# KiCad board hologram v3.kicad_pcb
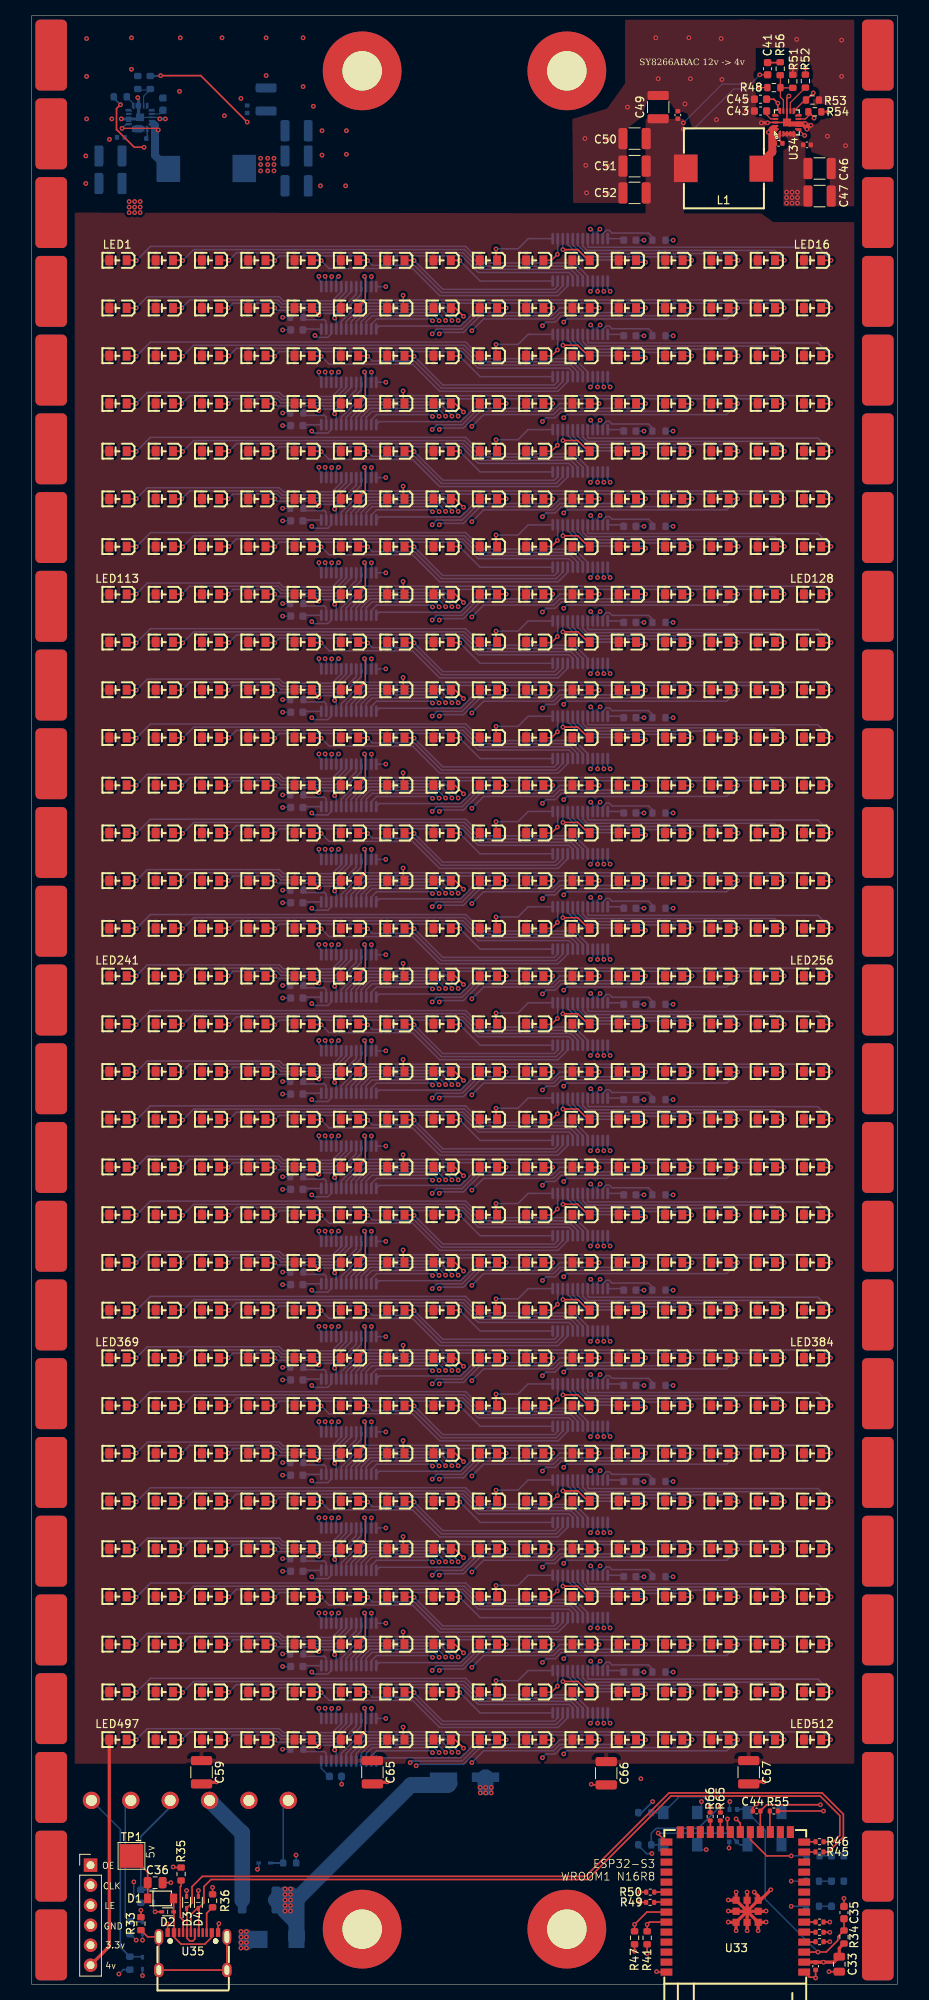
[diagram p0: board, top side]
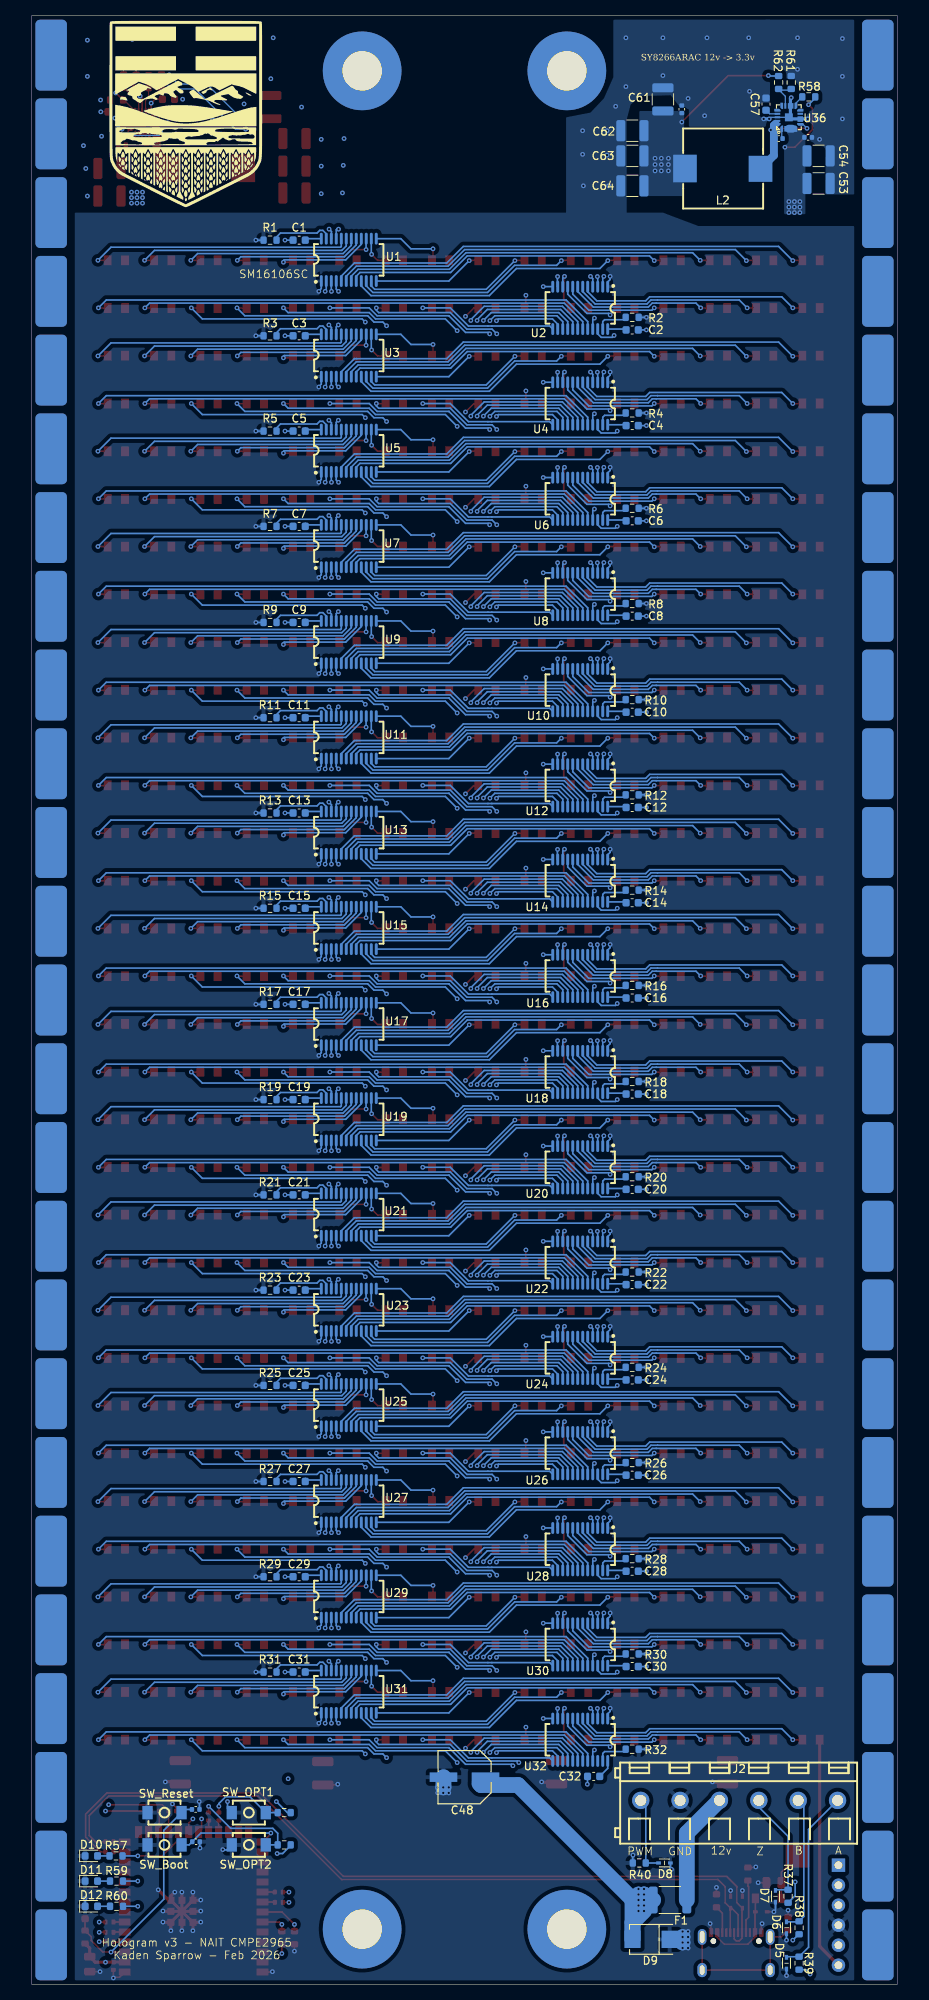
[diagram p1: board, bottom side, seen from below]

Outline 110 x 250 mm; copper layers: Top, In1.Cu, In2.Cu, In3.Cu, In4.Cu, Bottom. Coordinates in mm from the lower left corner of the outline.
Outline path: rectangle 0,250 110,0
Stack: Top 0.035mm / dielectric 0.1mm FR4 er 4.5 / In1.Cu 0.035mm / dielectric 0.535mm FR4 er 4.5 / In2.Cu 0.035mm / dielectric 0.1mm FR4 er 4.5 / In3.Cu 0.035mm / dielectric 0.535mm FR4 er 4.5 / In4.Cu 0.035mm / dielectric 0.1mm FR4 er 4.5 / Bottom 0.035mm

## Placement (name value [footprint] x y rotation side)
C1  C_Small  [C_0603_1608Metric]  76 221.5 180 bottom
C2  C_Small  [C_0603_1608Metric]  33.7 210.1 0 bottom
C3  C_Small  [C_0603_1608Metric]  76 209.35 180 bottom
C4  C_Small  [C_0603_1608Metric]  33.7 197.95 0 bottom
C5  C_Small  [C_0603_1608Metric]  76 197.25 180 bottom
C6  C_Small  [C_0603_1608Metric]  33.7 185.85 0 bottom
C7  C_Small  [C_0603_1608Metric]  76 185.15 180 bottom
C8  C_Small  [C_0603_1608Metric]  33.7 173.75 0 bottom
C9  C_Small  [C_0603_1608Metric]  76 172.95 180 bottom
C10  C_Small  [C_0603_1608Metric]  33.7 161.55 0 bottom
C11  C_Small  [C_0603_1608Metric]  76 160.85 180 bottom
C12  C_Small  [C_0603_1608Metric]  33.7 149.45 0 bottom
C13  C_Small  [C_0603_1608Metric]  76 148.75 180 bottom
C14  C_Small  [C_0603_1608Metric]  33.7 137.35 0 bottom
C15  C_Small  [C_0603_1608Metric]  76 136.65 180 bottom
C16  C_Small  [C_0603_1608Metric]  33.7 125.25 0 bottom
C17  C_Small  [C_0603_1608Metric]  76 124.45 180 bottom
C18  C_Small  [C_0603_1608Metric]  33.7 113.05 0 bottom
C19  C_Small  [C_0603_1608Metric]  76 112.35 180 bottom
C20  C_Small  [C_0603_1608Metric]  33.7 100.95 0 bottom
C21  C_Small  [C_0603_1608Metric]  76 100.25 180 bottom
C22  C_Small  [C_0603_1608Metric]  33.7 88.85 0 bottom
C23  C_Small  [C_0603_1608Metric]  76 88.15 180 bottom
C24  C_Small  [C_0603_1608Metric]  33.7 76.75 0 bottom
C25  C_Small  [C_0603_1608Metric]  76 76.05 180 bottom
C26  C_Small  [C_0603_1608Metric]  33.7 64.65 0 bottom
C27  C_Small  [C_0603_1608Metric]  76 63.85 180 bottom
C28  C_Small  [C_0603_1608Metric]  33.7 52.45 0 bottom
C29  C_Small  [C_0603_1608Metric]  76 51.75 180 bottom
C30  C_Small  [C_0603_1608Metric]  33.7 40.35 0 bottom
C31  C_Small  [C_0603_1608Metric]  76 39.65 180 bottom
C32  C_Small  [C_0603_1608Metric]  38.6 26.4 180 bottom
C33  22u  [C_0805_2012Metric]  102.6 2.55 270 top
C34  0.1u  [C_0402_1005Metric]  99.6 2.3 270 top
C35  1u  [C_0603_1608Metric]  103.2 9.1 90 top
C36  10u  [C_0805_2012Metric]  15.7 12.9 0 top
C37  0.1u  [C_0402_1005Metric]  98.5 233.6 0 top
C38  0.1u  [C_0402_1005Metric]  89.14 22.2 180 bottom
C39  0.1u  [C_0402_1005Metric]  89.1 18.1 180 bottom
C40  0.1u  [C_0402_1005Metric]  94.9 233.8 180 top
C41  dnp  [C_0603_1608Metric]  93.5 243.28 90 top  (not fitted)
C42  0.1u  [C_0402_1005Metric]  82.1 237.4 90 top
C43  2.2u  [C_0603_1608Metric]  92.6 237.9 180 top
C44  0.1u  [C_0402_1005Metric]  92.1 22 180 top
C45  1u  [C_0603_1608Metric]  92.6 239.4 180 top
C46  22u  [C_1210_3225Metric]  100.1 230.6 0 top
C47  22u  [C_1210_3225Metric]  100.1 227.1 0 top
C48  100u  [CAP-SMD_BD6.3-L6.6-W6.6-LS7.3-FD]  55 26.3 0 bottom
C49  47u  [C_1210_3225Metric]  79.6 238.4 90 top
C50  47u  [C_1210_3225Metric]  76.6 234.4 180 top
C51  47u  [C_1210_3225Metric]  76.6 230.9 180 top
C52  47u  [C_1210_3225Metric]  76.6 227.5 180 top
C53  22u  [C_1210_3225Metric]  10.03 228.7 180 bottom
C54  22u  [C_1210_3225Metric]  10.03 232.2 180 bottom
C55  0.1u  [C_0402_1005Metric]  11.35 234.55 180 bottom
C56  0.1u  [C_0402_1005Metric]  15.08 234.4 0 bottom
C57  2.2u  [C_0603_1608Metric]  16.7 238.78 90 bottom
C59  47u  [C_1210_3225Metric]  21.6 26.93 270 top
C60  0.1u  [C_0402_1005Metric]  27.4 238.12 90 bottom
C61  22u  [C_1210_3225Metric]  29.8 239.38 90 bottom
C62  22u  [C_1210_3225Metric]  33.67 235.4 0 bottom
C63  22u  [C_1210_3225Metric]  33.67 232.2 0 bottom
C64  22u  [C_1210_3225Metric]  33.67 228.4 0 bottom
C65  47u  [C_1210_3225Metric]  43.3 26.93 270 top
C66  47u  [C_1210_3225Metric]  73 26.8 270 top
C67  47u  [C_1210_3225Metric]  91.1 26.93 270 top
D1  1N5819HW-7-F  [SOD-123_L2.7-W1.6-LS3.7-RD]  16.4 10.9 0 top
D2  LESD5Z5.0CT1G  [SOD-523_L1.2-W0.8-LS1.6-BI]  17.3 9.2 0 top
D3  LESD5Z5.0CT1G  [SOD-523_L1.2-W0.8-LS1.6-BI]  19.7 10.4 270 top
D4  LESD5Z5.0CT1G  [SOD-523_L1.2-W0.8-LS1.6-BI]  21.2 10.4 270 top
D5  LESD5Z5.0CT1G  [SOD-523_L1.2-W0.8-LS1.6-BI]  14.1 2.68 90 bottom
D6  LESD5Z5.0CT1G  [SOD-523_L1.2-W0.8-LS1.6-BI]  14.1 7.18 90 bottom
D7  LESD5Z5.0CT1G  [SOD-523_L1.2-W0.8-LS1.6-BI]  15.5 11.18 90 bottom
D8  LESD5Z5.0CT1G  [SOD-523_L1.2-W0.8-LS1.6-BI]  29.6 15.4 0 bottom
D9  SMBJ13A  [SMB_L4.6-W3.6-LS5.3-RD]  31.3 5.7 0 bottom
D10  KT-0603R  [LED_0603_1608Metric]  102.4 16.3 180 bottom
D11  KT-0603Y  [LED_0603_1608Metric]  102.4 13.1 180 bottom
D12  KT-0603B  [LED_0603_1608Metric]  102.4 9.9 180 bottom
F1  SMD1812-300C-30V  [Fuse_1812_4532Metric]  28.9 10.7 180 bottom
G***  -  [LOGO]  90.4 237.5 180 bottom
H1  topLeft  [MountingHole_5mm_Pad]  42 243 0 top
H2  topRight  [MountingHole_5mm_Pad]  68 243 0 top
H3  botLeft  [MountingHole_5mm_Pad]  42 7 0 top
H4  botRight  [MountingHole_5mm_Pad]  68 7 0 top
J1  Conn_01x06  [PinHeader_1x06_P2.54mm_Vertical]  7.5 15.12 0 top
J2  Conn_01x06_Socket  [CONN-TH_6P-P5.00_MX128-5.0-06P-GN01-CU-Y-A]  20.12 23.35 180 bottom
L1  2.2u  [IND-SMD_L10.8-W10.0]  87.9 230.6 180 top
L2  4.7u  [IND-SMD_L10.8-W10.0]  22.2 230.58 0 bottom
LED1  0805G (Green)  [LED0805-RD-flipped]  10.88 218.94 0 top
LED2  0805G (Green)  [LED0805-RD-flipped]  16.76 218.94 0 top
LED3  0805G (Green)  [LED0805-RD-flipped]  22.65 218.94 0 top
LED4  0805G (Green)  [LED0805-RD-flipped]  28.53 218.94 0 top
LED5  0805G (Green)  [LED0805-RD-flipped]  34.41 218.94 0 top
LED6  0805G (Green)  [LED0805-RD-flipped]  40.29 218.94 0 top
LED7  0805G (Green)  [LED0805-RD-flipped]  46.18 218.94 0 top
LED8  0805G (Green)  [LED0805-RD-flipped]  52.06 218.94 0 top
LED9  0805G (Green)  [LED0805-RD-flipped]  57.94 218.94 0 top
LED10  0805G (Green)  [LED0805-RD-flipped]  63.82 218.94 0 top
LED11  0805G (Green)  [LED0805-RD-flipped]  69.71 218.94 0 top
LED12  0805G (Green)  [LED0805-RD-flipped]  75.59 218.94 0 top
LED13  0805G (Green)  [LED0805-RD-flipped]  81.5 218.94 0 top
LED14  0805G (Green)  [LED0805-RD-flipped]  87.35 218.94 0 top
LED15  0805G (Green)  [LED0805-RD-flipped]  93.24 218.94 0 top
LED16  0805G (Green)  [LED0805-RD-flipped]  99.12 218.94 0 top
LED17  0805G (Green)  [LED0805-RD-flipped]  10.88 212.88 0 top
LED18  0805G (Green)  [LED0805-RD-flipped]  16.76 212.88 0 top
LED19  0805G (Green)  [LED0805-RD-flipped]  22.65 212.88 0 top
LED20  0805G (Green)  [LED0805-RD-flipped]  28.53 212.88 0 top
LED21  0805G (Green)  [LED0805-RD-flipped]  34.41 212.88 0 top
LED22  0805G (Green)  [LED0805-RD-flipped]  40.29 212.88 0 top
LED23  0805G (Green)  [LED0805-RD-flipped]  46.18 212.88 0 top
LED24  0805G (Green)  [LED0805-RD-flipped]  52.06 212.88 0 top
LED25  0805G (Green)  [LED0805-RD-flipped]  57.94 212.88 0 top
LED26  0805G (Green)  [LED0805-RD-flipped]  63.82 212.88 0 top
LED27  0805G (Green)  [LED0805-RD-flipped]  69.71 212.88 0 top
LED28  0805G (Green)  [LED0805-RD-flipped]  75.59 212.88 0 top
LED29  0805G (Green)  [LED0805-RD-flipped]  81.47 212.88 0 top
LED30  0805G (Green)  [LED0805-RD-flipped]  87.35 212.88 0 top
LED31  0805G (Green)  [LED0805-RD-flipped]  93.24 212.88 0 top
LED32  0805G (Green)  [LED0805-RD-flipped]  99.12 212.88 0 top
LED33  0805G (Green)  [LED0805-RD-flipped]  10.88 206.82 0 top
LED34  0805G (Green)  [LED0805-RD-flipped]  16.76 206.82 0 top
LED35  0805G (Green)  [LED0805-RD-flipped]  22.65 206.82 0 top
LED36  0805G (Green)  [LED0805-RD-flipped]  28.53 206.82 0 top
LED37  0805G (Green)  [LED0805-RD-flipped]  34.41 206.82 0 top
LED38  0805G (Green)  [LED0805-RD-flipped]  40.29 206.82 0 top
LED39  0805G (Green)  [LED0805-RD-flipped]  46.18 206.82 0 top
LED40  0805G (Green)  [LED0805-RD-flipped]  52.06 206.82 0 top
LED41  0805G (Green)  [LED0805-RD-flipped]  57.94 206.82 0 top
LED42  0805G (Green)  [LED0805-RD-flipped]  63.82 206.82 0 top
LED43  0805G (Green)  [LED0805-RD-flipped]  69.71 206.82 0 top
LED44  0805G (Green)  [LED0805-RD-flipped]  75.59 206.82 0 top
LED45  0805G (Green)  [LED0805-RD-flipped]  81.47 206.82 0 top
LED46  0805G (Green)  [LED0805-RD-flipped]  87.35 206.82 0 top
LED47  0805G (Green)  [LED0805-RD-flipped]  93.24 206.82 0 top
LED48  0805G (Green)  [LED0805-RD-flipped]  99.12 206.82 0 top
LED49  0805G (Green)  [LED0805-RD-flipped]  10.88 200.76 0 top
LED50  0805G (Green)  [LED0805-RD-flipped]  16.76 200.76 0 top
LED51  0805G (Green)  [LED0805-RD-flipped]  22.65 200.76 0 top
LED52  0805G (Green)  [LED0805-RD-flipped]  28.53 200.76 0 top
LED53  0805G (Green)  [LED0805-RD-flipped]  34.41 200.76 0 top
LED54  0805G (Green)  [LED0805-RD-flipped]  40.29 200.76 0 top
LED55  0805G (Green)  [LED0805-RD-flipped]  46.18 200.76 0 top
LED56  0805G (Green)  [LED0805-RD-flipped]  52.06 200.76 0 top
LED57  0805G (Green)  [LED0805-RD-flipped]  57.94 200.76 0 top
LED58  0805G (Green)  [LED0805-RD-flipped]  63.82 200.76 0 top
LED59  0805G (Green)  [LED0805-RD-flipped]  69.71 200.76 0 top
LED60  0805G (Green)  [LED0805-RD-flipped]  75.59 200.76 0 top
LED61  0805G (Green)  [LED0805-RD-flipped]  81.47 200.76 0 top
LED62  0805G (Green)  [LED0805-RD-flipped]  87.35 200.76 0 top
LED63  0805G (Green)  [LED0805-RD-flipped]  93.24 200.76 0 top
LED64  0805G (Green)  [LED0805-RD-flipped]  99.12 200.76 0 top
LED65  0805G (Green)  [LED0805-RD-flipped]  10.88 194.7 0 top
LED66  0805G (Green)  [LED0805-RD-flipped]  16.76 194.7 0 top
LED67  0805G (Green)  [LED0805-RD-flipped]  22.65 194.7 0 top
LED68  0805G (Green)  [LED0805-RD-flipped]  28.53 194.7 0 top
LED69  0805G (Green)  [LED0805-RD-flipped]  34.41 194.7 0 top
LED70  0805G (Green)  [LED0805-RD-flipped]  40.29 194.7 0 top
LED71  0805G (Green)  [LED0805-RD-flipped]  46.18 194.7 0 top
LED72  0805G (Green)  [LED0805-RD-flipped]  52.06 194.7 0 top
LED73  0805G (Green)  [LED0805-RD-flipped]  57.94 194.7 0 top
LED74  0805G (Green)  [LED0805-RD-flipped]  63.82 194.7 0 top
LED75  0805G (Green)  [LED0805-RD-flipped]  69.71 194.7 0 top
LED76  0805G (Green)  [LED0805-RD-flipped]  75.59 194.7 0 top
LED77  0805G (Green)  [LED0805-RD-flipped]  81.47 194.7 0 top
LED78  0805G (Green)  [LED0805-RD-flipped]  87.35 194.7 0 top
LED79  0805G (Green)  [LED0805-RD-flipped]  93.24 194.7 0 top
LED80  0805G (Green)  [LED0805-RD-flipped]  99.12 194.7 0 top
LED81  0805G (Green)  [LED0805-RD-flipped]  10.88 188.64 0 top
LED82  0805G (Green)  [LED0805-RD-flipped]  16.76 188.64 0 top
LED83  0805G (Green)  [LED0805-RD-flipped]  22.65 188.64 0 top
LED84  0805G (Green)  [LED0805-RD-flipped]  28.53 188.64 0 top
LED85  0805G (Green)  [LED0805-RD-flipped]  34.41 188.64 0 top
LED86  0805G (Green)  [LED0805-RD-flipped]  40.29 188.64 0 top
LED87  0805G (Green)  [LED0805-RD-flipped]  46.18 188.64 0 top
LED88  0805G (Green)  [LED0805-RD-flipped]  52.06 188.64 0 top
LED89  0805G (Green)  [LED0805-RD-flipped]  57.94 188.64 0 top
LED90  0805G (Green)  [LED0805-RD-flipped]  63.82 188.64 0 top
LED91  0805G (Green)  [LED0805-RD-flipped]  69.71 188.64 0 top
LED92  0805G (Green)  [LED0805-RD-flipped]  75.59 188.64 0 top
LED93  0805G (Green)  [LED0805-RD-flipped]  81.47 188.64 0 top
LED94  0805G (Green)  [LED0805-RD-flipped]  87.35 188.64 0 top
LED95  0805G (Green)  [LED0805-RD-flipped]  93.24 188.64 0 top
LED96  0805G (Green)  [LED0805-RD-flipped]  99.12 188.64 0 top
LED97  0805G (Green)  [LED0805-RD-flipped]  10.88 182.58 0 top
LED98  0805G (Green)  [LED0805-RD-flipped]  16.76 182.58 0 top
LED99  0805G (Green)  [LED0805-RD-flipped]  22.65 182.58 0 top
LED100  0805G (Green)  [LED0805-RD-flipped]  28.53 182.58 0 top
LED101  0805G (Green)  [LED0805-RD-flipped]  34.41 182.58 0 top
LED102  0805G (Green)  [LED0805-RD-flipped]  40.29 182.58 0 top
LED103  0805G (Green)  [LED0805-RD-flipped]  46.18 182.58 0 top
LED104  0805G (Green)  [LED0805-RD-flipped]  52.06 182.58 0 top
LED105  0805G (Green)  [LED0805-RD-flipped]  57.94 182.58 0 top
LED106  0805G (Green)  [LED0805-RD-flipped]  63.82 182.58 0 top
LED107  0805G (Green)  [LED0805-RD-flipped]  69.71 182.58 0 top
LED108  0805G (Green)  [LED0805-RD-flipped]  75.59 182.58 0 top
LED109  0805G (Green)  [LED0805-RD-flipped]  81.47 182.58 0 top
LED110  0805G (Green)  [LED0805-RD-flipped]  87.35 182.58 0 top
LED111  0805G (Green)  [LED0805-RD-flipped]  93.24 182.58 0 top
LED112  0805G (Green)  [LED0805-RD-flipped]  99.12 182.58 0 top
LED113  0805G (Green)  [LED0805-RD-flipped]  10.88 176.52 0 top
LED114  0805G (Green)  [LED0805-RD-flipped]  16.76 176.52 0 top
LED115  0805G (Green)  [LED0805-RD-flipped]  22.65 176.52 0 top
LED116  0805G (Green)  [LED0805-RD-flipped]  28.53 176.52 0 top
LED117  0805G (Green)  [LED0805-RD-flipped]  34.41 176.52 0 top
LED118  0805G (Green)  [LED0805-RD-flipped]  40.29 176.52 0 top
LED119  0805G (Green)  [LED0805-RD-flipped]  46.18 176.52 0 top
LED120  0805G (Green)  [LED0805-RD-flipped]  52.06 176.52 0 top
LED121  0805G (Green)  [LED0805-RD-flipped]  57.94 176.52 0 top
LED122  0805G (Green)  [LED0805-RD-flipped]  63.82 176.52 0 top
LED123  0805G (Green)  [LED0805-RD-flipped]  69.71 176.52 0 top
LED124  0805G (Green)  [LED0805-RD-flipped]  75.59 176.52 0 top
LED125  0805G (Green)  [LED0805-RD-flipped]  81.47 176.52 0 top
LED126  0805G (Green)  [LED0805-RD-flipped]  87.35 176.52 0 top
LED127  0805G (Green)  [LED0805-RD-flipped]  93.24 176.52 0 top
LED128  0805G (Green)  [LED0805-RD-flipped]  99.12 176.52 0 top
LED129  0805G (Green)  [LED0805-RD-flipped]  10.88 170.45 0 top
LED130  0805G (Green)  [LED0805-RD-flipped]  16.76 170.45 0 top
LED131  0805G (Green)  [LED0805-RD-flipped]  22.65 170.45 0 top
LED132  0805G (Green)  [LED0805-RD-flipped]  28.53 170.45 0 top
LED133  0805G (Green)  [LED0805-RD-flipped]  34.41 170.45 0 top
LED134  0805G (Green)  [LED0805-RD-flipped]  40.29 170.45 0 top
LED135  0805G (Green)  [LED0805-RD-flipped]  46.18 170.45 0 top
LED136  0805G (Green)  [LED0805-RD-flipped]  52.06 170.45 0 top
LED137  0805G (Green)  [LED0805-RD-flipped]  57.94 170.45 0 top
LED138  0805G (Green)  [LED0805-RD-flipped]  63.82 170.45 0 top
LED139  0805G (Green)  [LED0805-RD-flipped]  69.71 170.45 0 top
LED140  0805G (Green)  [LED0805-RD-flipped]  75.59 170.45 0 top
LED141  0805G (Green)  [LED0805-RD-flipped]  81.47 170.45 0 top
LED142  0805G (Green)  [LED0805-RD-flipped]  87.35 170.45 0 top
LED143  0805G (Green)  [LED0805-RD-flipped]  93.24 170.45 0 top
LED144  0805G (Green)  [LED0805-RD-flipped]  99.12 170.45 0 top
LED145  0805G (Green)  [LED0805-RD-flipped]  10.88 164.39 0 top
LED146  0805G (Green)  [LED0805-RD-flipped]  16.76 164.39 0 top
LED147  0805G (Green)  [LED0805-RD-flipped]  22.65 164.39 0 top
LED148  0805G (Green)  [LED0805-RD-flipped]  28.53 164.39 0 top
LED149  0805G (Green)  [LED0805-RD-flipped]  34.41 164.39 0 top
LED150  0805G (Green)  [LED0805-RD-flipped]  40.29 164.39 0 top
LED151  0805G (Green)  [LED0805-RD-flipped]  46.18 164.39 0 top
LED152  0805G (Green)  [LED0805-RD-flipped]  52.06 164.39 0 top
LED153  0805G (Green)  [LED0805-RD-flipped]  57.94 164.39 0 top
LED154  0805G (Green)  [LED0805-RD-flipped]  63.82 164.39 0 top
LED155  0805G (Green)  [LED0805-RD-flipped]  69.71 164.39 0 top
LED156  0805G (Green)  [LED0805-RD-flipped]  75.59 164.39 0 top
LED157  0805G (Green)  [LED0805-RD-flipped]  81.47 164.39 0 top
LED158  0805G (Green)  [LED0805-RD-flipped]  87.35 164.39 0 top
LED159  0805G (Green)  [LED0805-RD-flipped]  93.24 164.39 0 top
LED160  0805G (Green)  [LED0805-RD-flipped]  99.12 164.39 0 top
LED161  0805G (Green)  [LED0805-RD-flipped]  10.88 158.33 0 top
LED162  0805G (Green)  [LED0805-RD-flipped]  16.76 158.33 0 top
LED163  0805G (Green)  [LED0805-RD-flipped]  22.65 158.33 0 top
LED164  0805G (Green)  [LED0805-RD-flipped]  28.53 158.33 0 top
LED165  0805G (Green)  [LED0805-RD-flipped]  34.41 158.33 0 top
LED166  0805G (Green)  [LED0805-RD-flipped]  40.29 158.33 0 top
LED167  0805G (Green)  [LED0805-RD-flipped]  46.18 158.33 0 top
LED168  0805G (Green)  [LED0805-RD-flipped]  52.06 158.33 0 top
LED169  0805G (Green)  [LED0805-RD-flipped]  57.94 158.33 0 top
LED170  0805G (Green)  [LED0805-RD-flipped]  63.82 158.33 0 top
LED171  0805G (Green)  [LED0805-RD-flipped]  69.71 158.33 0 top
LED172  0805G (Green)  [LED0805-RD-flipped]  75.59 158.33 0 top
LED173  0805G (Green)  [LED0805-RD-flipped]  81.47 158.33 0 top
LED174  0805G (Green)  [LED0805-RD-flipped]  87.35 158.33 0 top
LED175  0805G (Green)  [LED0805-RD-flipped]  93.24 158.33 0 top
LED176  0805G (Green)  [LED0805-RD-flipped]  99.12 158.33 0 top
LED177  0805G (Green)  [LED0805-RD-flipped]  10.88 152.27 0 top
LED178  0805G (Green)  [LED0805-RD-flipped]  16.76 152.27 0 top
LED179  0805G (Green)  [LED0805-RD-flipped]  22.65 152.27 0 top
LED180  0805G (Green)  [LED0805-RD-flipped]  28.53 152.27 0 top
LED181  0805G (Green)  [LED0805-RD-flipped]  34.41 152.27 0 top
LED182  0805G (Green)  [LED0805-RD-flipped]  40.29 152.27 0 top
LED183  0805G (Green)  [LED0805-RD-flipped]  46.18 152.27 0 top
LED184  0805G (Green)  [LED0805-RD-flipped]  52.06 152.27 0 top
LED185  0805G (Green)  [LED0805-RD-flipped]  57.94 152.27 0 top
LED186  0805G (Green)  [LED0805-RD-flipped]  63.82 152.27 0 top
LED187  0805G (Green)  [LED0805-RD-flipped]  69.71 152.27 0 top
LED188  0805G (Green)  [LED0805-RD-flipped]  75.59 152.27 0 top
LED189  0805G (Green)  [LED0805-RD-flipped]  81.47 152.27 0 top
LED190  0805G (Green)  [LED0805-RD-flipped]  87.35 152.27 0 top
LED191  0805G (Green)  [LED0805-RD-flipped]  93.24 152.27 0 top
LED192  0805G (Green)  [LED0805-RD-flipped]  99.12 152.27 0 top
LED193  0805G (Green)  [LED0805-RD-flipped]  10.88 146.21 0 top
LED194  0805G (Green)  [LED0805-RD-flipped]  16.76 146.21 0 top
LED195  0805G (Green)  [LED0805-RD-flipped]  22.65 146.21 0 top
LED196  0805G (Green)  [LED0805-RD-flipped]  28.53 146.21 0 top
LED197  0805G (Green)  [LED0805-RD-flipped]  34.41 146.21 0 top
LED198  0805G (Green)  [LED0805-RD-flipped]  40.29 146.21 0 top
LED199  0805G (Green)  [LED0805-RD-flipped]  46.18 146.21 0 top
LED200  0805G (Green)  [LED0805-RD-flipped]  52.06 146.21 0 top
LED201  0805G (Green)  [LED0805-RD-flipped]  57.94 146.21 0 top
LED202  0805G (Green)  [LED0805-RD-flipped]  63.82 146.21 0 top
LED203  0805G (Green)  [LED0805-RD-flipped]  69.71 146.21 0 top
LED204  0805G (Green)  [LED0805-RD-flipped]  75.59 146.21 0 top
LED205  0805G (Green)  [LED0805-RD-flipped]  81.47 146.21 0 top
LED206  0805G (Green)  [LED0805-RD-flipped]  87.35 146.21 0 top
LED207  0805G (Green)  [LED0805-RD-flipped]  93.24 146.21 0 top
LED208  0805G (Green)  [LED0805-RD-flipped]  99.12 146.21 0 top
LED209  0805G (Green)  [LED0805-RD-flipped]  10.88 140.15 0 top
LED210  0805G (Green)  [LED0805-RD-flipped]  16.76 140.15 0 top
LED211  0805G (Green)  [LED0805-RD-flipped]  22.65 140.15 0 top
LED212  0805G (Green)  [LED0805-RD-flipped]  28.53 140.15 0 top
LED213  0805G (Green)  [LED0805-RD-flipped]  34.41 140.15 0 top
LED214  0805G (Green)  [LED0805-RD-flipped]  40.29 140.15 0 top
LED215  0805G (Green)  [LED0805-RD-flipped]  46.18 140.15 0 top
LED216  0805G (Green)  [LED0805-RD-flipped]  52.06 140.15 0 top
LED217  0805G (Green)  [LED0805-RD-flipped]  57.94 140.15 0 top
LED218  0805G (Green)  [LED0805-RD-flipped]  63.82 140.15 0 top
LED219  0805G (Green)  [LED0805-RD-flipped]  69.71 140.15 0 top
LED220  0805G (Green)  [LED0805-RD-flipped]  75.59 140.15 0 top
LED221  0805G (Green)  [LED0805-RD-flipped]  81.47 140.15 0 top
LED222  0805G (Green)  [LED0805-RD-flipped]  87.35 140.15 0 top
LED223  0805G (Green)  [LED0805-RD-flipped]  93.24 140.15 0 top
LED224  0805G (Green)  [LED0805-RD-flipped]  99.12 140.15 0 top
LED225  0805G (Green)  [LED0805-RD-flipped]  10.88 134.09 0 top
LED226  0805G (Green)  [LED0805-RD-flipped]  16.76 134.09 0 top
LED227  0805G (Green)  [LED0805-RD-flipped]  22.65 134.09 0 top
LED228  0805G (Green)  [LED0805-RD-flipped]  28.53 134.09 0 top
LED229  0805G (Green)  [LED0805-RD-flipped]  34.41 134.09 0 top
LED230  0805G (Green)  [LED0805-RD-flipped]  40.29 134.09 0 top
LED231  0805G (Green)  [LED0805-RD-flipped]  46.18 134.09 0 top
LED232  0805G (Green)  [LED0805-RD-flipped]  52.06 134.09 0 top
LED233  0805G (Green)  [LED0805-RD-flipped]  57.94 134.09 0 top
LED234  0805G (Green)  [LED0805-RD-flipped]  63.82 134.09 0 top
LED235  0805G (Green)  [LED0805-RD-flipped]  69.71 134.09 0 top
LED236  0805G (Green)  [LED0805-RD-flipped]  75.59 134.09 0 top
LED237  0805G (Green)  [LED0805-RD-flipped]  81.47 134.09 0 top
LED238  0805G (Green)  [LED0805-RD-flipped]  87.35 134.09 0 top
LED239  0805G (Green)  [LED0805-RD-flipped]  93.24 134.09 0 top
LED240  0805G (Green)  [LED0805-RD-flipped]  99.12 134.09 0 top
LED241  0805G (Green)  [LED0805-RD-flipped]  10.88 128.03 0 top
LED242  0805G (Green)  [LED0805-RD-flipped]  16.76 128.03 0 top
LED243  0805G (Green)  [LED0805-RD-flipped]  22.65 128.03 0 top
LED244  0805G (Green)  [LED0805-RD-flipped]  28.53 128.03 0 top
LED245  0805G (Green)  [LED0805-RD-flipped]  34.41 128.03 0 top
LED246  0805G (Green)  [LED0805-RD-flipped]  40.29 128.03 0 top
LED247  0805G (Green)  [LED0805-RD-flipped]  46.18 128.03 0 top
LED248  0805G (Green)  [LED0805-RD-flipped]  52.06 128.03 0 top
LED249  0805G (Green)  [LED0805-RD-flipped]  57.94 128.03 0 top
LED250  0805G (Green)  [LED0805-RD-flipped]  63.82 128.03 0 top
LED251  0805G (Green)  [LED0805-RD-flipped]  69.71 128.03 0 top